# Altium PCB Main - Backup.PcbDoc (part 2 of 4) (continued)
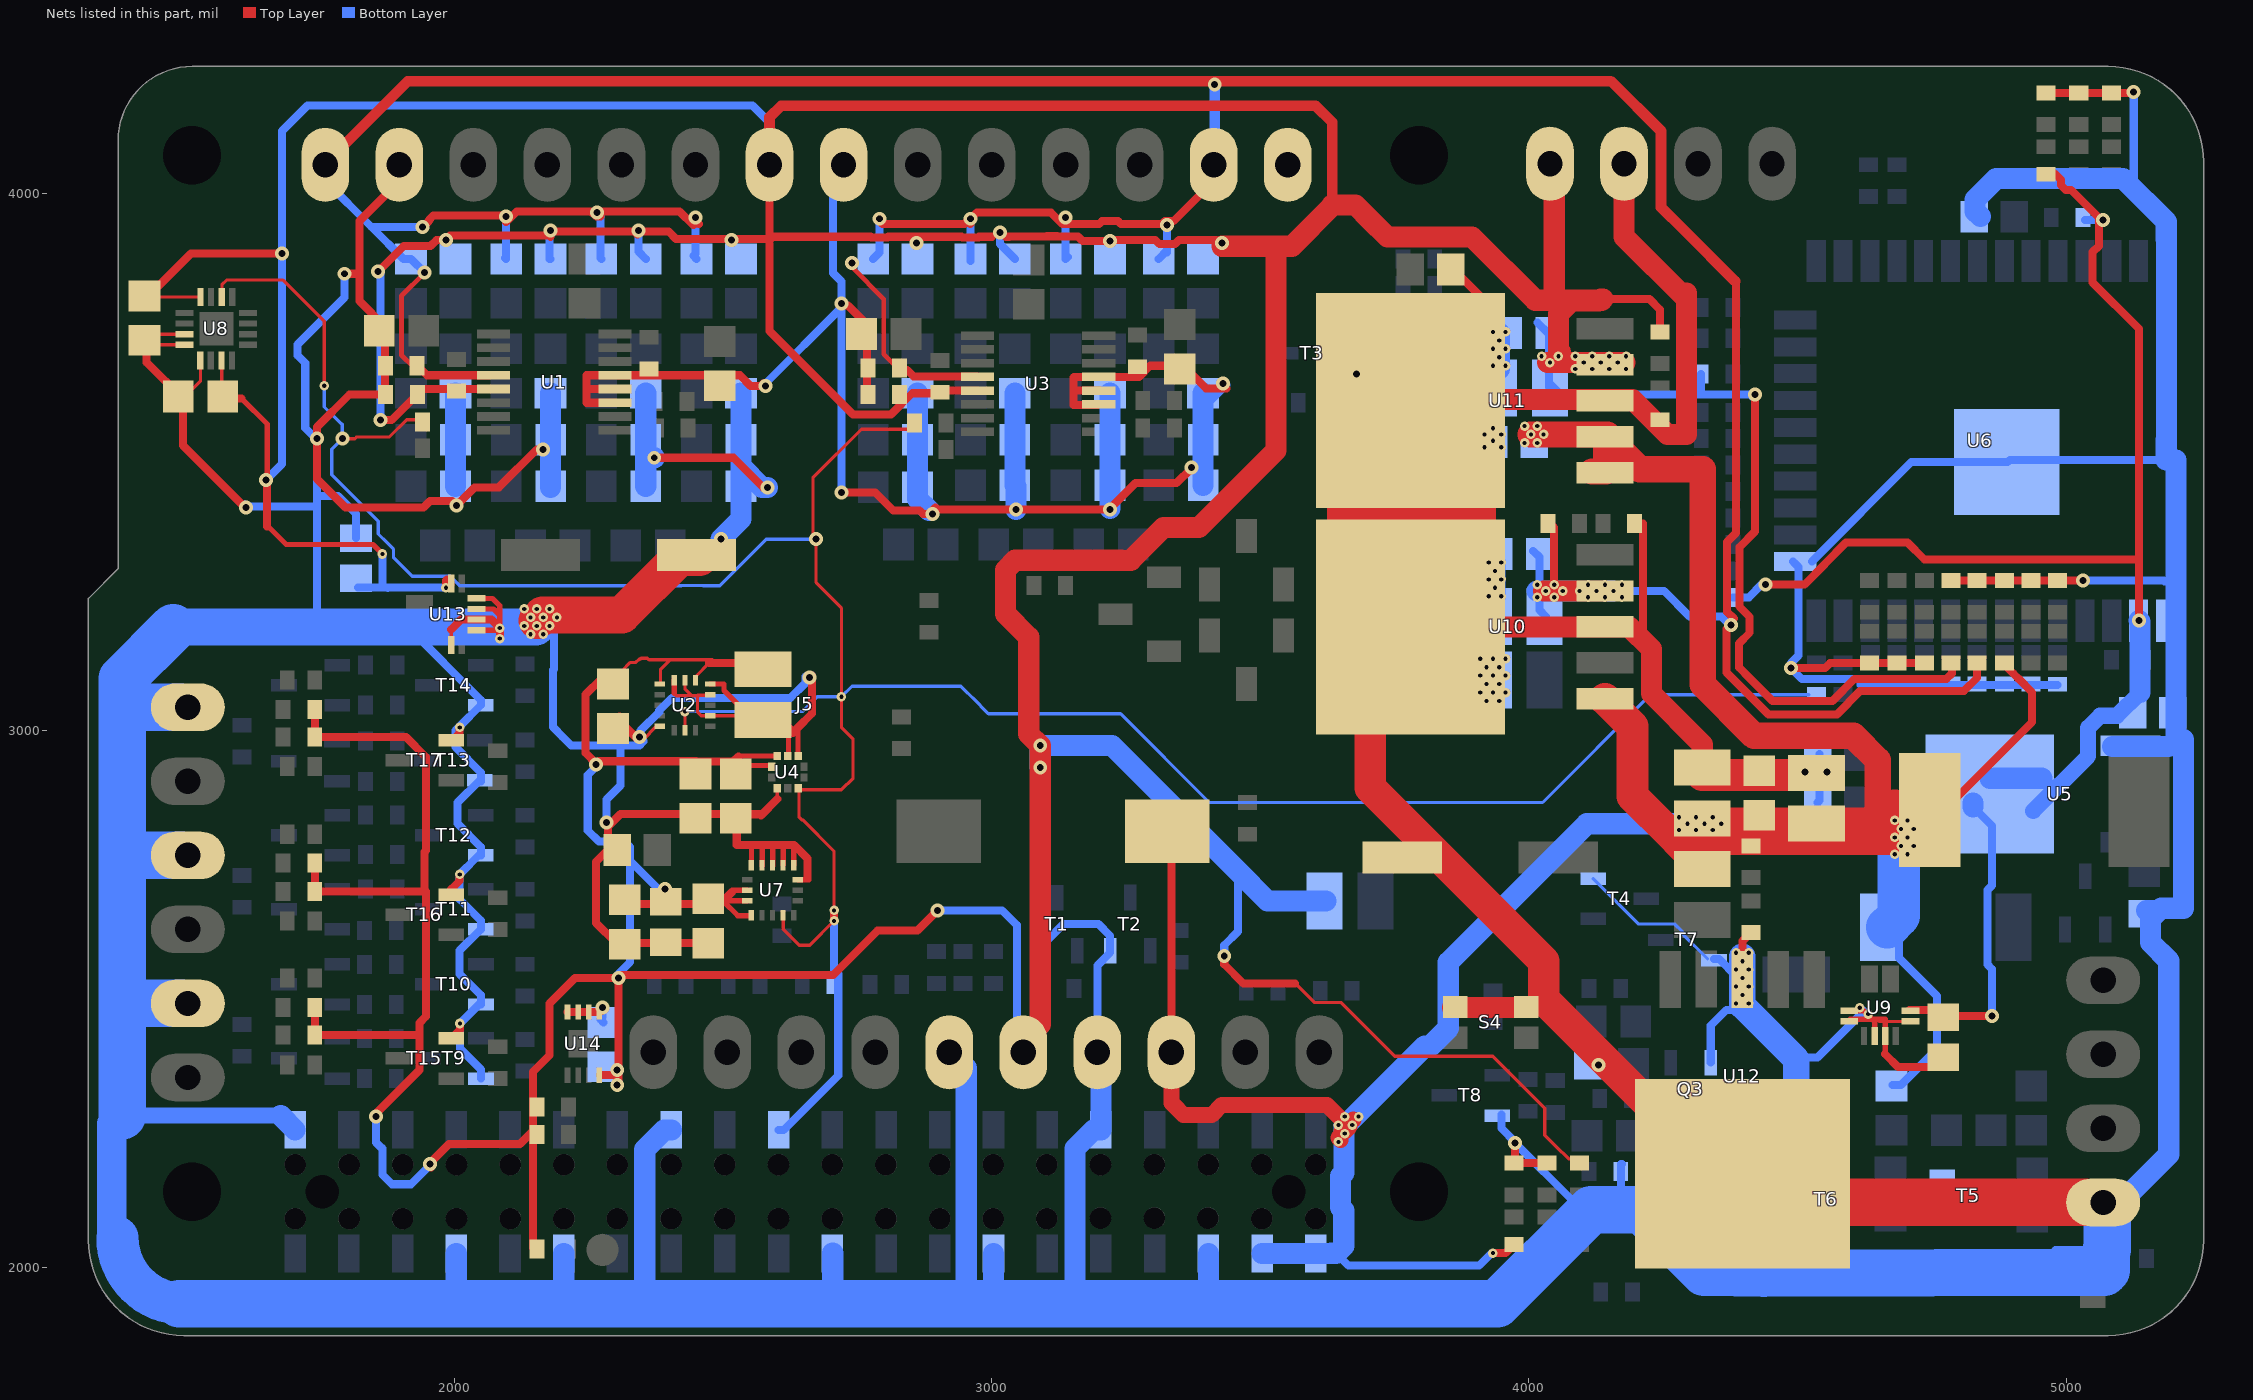
[diagram p2: the nets of this part, all layers, seen from the top]
## Nets (pads, with @x,y where several pads share a name; then routed paths per layer and width w, separated by ;. In a path a pad name is that pad's centre, name@x,y a point inside that pad or via, vN(x,y) a via of type N, cw(c..) or ccw(c..) an arc to the next point about the centre after c; other vN are vias at no path point) (continued)
  Bottom Layer w40: 3658.46,2264.76 3806.17,2412.47 3816.52,2412.47 3849.95,2445.9 3849.95,2568.46 4108.27,2826.77 4303.15,2826.77 4342.52,2826.77 v1@4354.33,2826.77
  Bottom Layer w78.74: D2.1@4667.32,2633.86 4687.99,2654.53 4688.73,2655.26 4688.73,2785.43 v1@4688.73,2801.18
  other v1: 3645.67,2234.25 3657.48,2250 3645.67,2265.75 3671.26,2265.75 3657.48,2281.5 3683.07,2281.5 4681.1,2769.68 4704.72,2769.68 4692.91,2785.43 4716.54,2785.43 4681.1,2801.18 4704.72,2801.18 4279.53,2814.96 4311.02,2814.96 4342.52,2814.96 4692.91,2816.93 4716.54,2816.93 4295.28,2826.77 4326.77,2826.77 4358.27,2826.77 4681.1,2832.68 4704.72,2832.68 4279.53,2838.58 4311.02,2838.58 4342.52,2838.58 3992.13,3535.43 4015.75,3535.43 3992.13,3566.93 4015.75,3566.93
5V_Clean: C6.2 C16.2 C54.2 C55.2 J8.1 J11.1 R13.1 R18.1 R23.1 R28.1 R33.1 R38.1 R43.1 R48.1 R76.2 R121.2 U1.12 U3.12 U10.4 | length 8122.8
  Top Layer w3.94: C6.2@1923.23,3677.17 C6.2@1932.68,3677.17
  Top Layer w8.86: C6.2@1923.23,3677.17 1901.57,3698.82 1901.57,3809.31 v2(1944.76,3852.49) ; v2@2740.16,3862.2 2799.21,3803.15 2799.21,3700.79 C16.2@2818.9,3681.1
  Top Layer w15: C6.2@1931.1,3679.13 1948.82,3661.42 U1.12@2064.96,3661.42 ; v2@1940.95,3937 1952.52,3948.57 1952.52,3950.56 1960.63,3958.66 2088.58,3958.66 v2@2096.46,3950.78 ; v2(2096.46,3956.69) v2@2096.46,3950.78 ; v2(2265.75,3964.57) 2265.75,3962.6 v2@2271.65,3956.69 ; v2(2448.82,3954.72) v2@2448.82,3949.32 ; 2454.98,3943.16 v2@2448.82,3949.32 ; v2@2789.13,3951.02 2797,3943.16 2949.39,3943.16 2954.8,3948.57 2960.21,3943.16 2960.21,3952.33 v2(2960.63,3952.76) 2972.44,3964.57 3110.22,3964.57 3131.88,3942.91 3200.24,3942.91 3205.9,3948.57 3235.05,3948.57 3240.46,3943.16 3317.18,3943.16 3322.83,3948.81 3338.98,3948.81 J8.1@3413.4,4023.23 ; C16.2@2842.52,3671.26 2854.33,3659.45 2972.64,3659.45 U3.12@2973.62,3658.46 ; R121.2@4035.43,3389.76 4047.24,3377.95 v1(4047.24,3271.65) ; U10.4@4141.83,3259.84 v1(4157.48,3259.84) ; 4383.86,3836.61 4385.83,3838.58 4385.83,3367.72 4368.98,3350.87 4368.98,3221.09 4381.65,3208.42 4375.98,3202.76 v2(4375.98,3196.85) 4368.11,3188.98 4368.11,3108.27 4387.8,3088.58 4446.11,3030.26 4573.57,3030.26 4616.76,3073.46 4809.68,3073.46 4834.65,3098.43 R76.2@4834.65,3129.92 ; v2@2096.46,3950.78 2096.46,3946.84 2116.15,3966.54 2254.45,3966.54 2264.29,3956.69 v2@2271.65,3956.69 ; v2@2271.65,3956.69 2271.65,3966.54 2419.29,3966.54 2444.88,3940.95 2448.82,3944.89 v2@2448.82,3949.32
  Top Layer w19.68: J11.1@1757.89,4025.2 1759.84,4027.16 J11.1@1759.84,4053.15 1759.84,4055.12 1913.39,4208.66 4151.57,4208.66 ; 4154.19,4208.01 4246.06,4116.14 4246.06,3974.41 4289.22,3931.25 4383.86,3836.61
  Top Layer w39.37: v1@4027.35,3259.84 v1(4031.5,3259.84) v1(4062.99,3259.84) v1(4094.49,3259.84) v1(4125.98,3259.84) U10.4@4141.83,3259.84
  Bottom Layer w15: J11.1@1759.86,4023.23 1846.09,3937 ; v2(1940.94,3937) 1846.09,3937 ; v2(1944.76,3852.49) R18.1@1919.29,3877.95 1905.14,3877.95 1846.09,3937 ; R28.1@2096.46,3877.95 2094.48,3879.93 2096.46,3881.9 v2(2096.46,3956.69) ; v2(2265.75,3964.57) 2267.72,3964.57 2271.66,3960.62 2271.66,3879.91 R38.1@2273.62,3877.95 ; v2(2448.82,3954.72) 2448.82,3887.8 2444.88,3883.86 R48.1@2450.79,3877.95 ; R13.1@2779.53,3877.95 2791.34,3889.76 v2(2791.34,3952.76) ; R23.1@2960.63,3874.02 R23.1@2960.63,3877.95 v2(2960.63,3952.76) ; R33.1@3137.8,3877.95 3141.73,3881.88 R33.1@3137.8,3885.81 ; R33.1@3137.8,3881.88 R33.1@3137.8,3885.81 ; v2(3137.8,3954.72) R33.1@3137.8,3885.81 ; R43.1@3311.02,3877.95 R43.1@3326.77,3893.7 ; R43.1@3326.77,3889.76 R43.1@3326.77,3893.7 ; v2(3326.77,3940.94) R43.1@3326.77,3893.7 ; C55.2@4007.87,3334.65 4019.68,3322.83 4019.68,3259.84 4019.68,3224.41 C54.2@4031.5,3212.6 ; v1(4157.48,3259.84) 4251.97,3259.84 4299.21,3212.6 4358.27,3212.6 4375.98,3194.88 v2(4375.98,3196.85)
  Bottom Layer w19.68: J8.1@3413.39,4023.25 3417.32,4027.18 3415.35,4029.16 v2(3415.35,4202.75)
  Bottom Layer w39.37: C54.2@4015.75,3259.84 4019.68,3259.84 C54.2@4027.35,3259.84 ; v1(4031.5,3259.84) v1(4062.99,3259.84) v1(4094.49,3259.84) v1(4125.98,3259.84) v1(4157.48,3259.84)
  other v1: 4015.75,3248.03 4047.24,3248.03 4110.24,3248.03 4141.73,3248.03 4173.23,3248.03 4015.75,3271.65 4110.24,3271.65 4141.73,3271.65 4173.23,3271.65
  other v2: 2740.16,3870.08
ESP_VCC: C32.2 C52.2 D1.1 R55.1 R68.1 R85.1 U5.2 U6.2 U9.12 | length 2903.2
  Top Layer w15: v2(4440.94,3271.65) 4513.06,3271.65 4590.43,3350.27 4704.78,3350.27 4736.15,3318.9 5135.83,3318.9 ; U9.12@4708.66,2480.07 4744.34,2480.07 4755.91,2468.5 v2(4862.2,2468.5) ; D1.1@4962.6,4037.4 4978.35,4037.4 4990.41,4025.34 4990.41,4015.23 4999.49,4006.15 5009.59,4006.15 5061.02,3954.72 5061.02,3902.12 5049.46,3890.56 5049.46,3834.4 5135.83,3748.03 5135.83,3318.9 ; v2(5135.83,3204.72) 5135.83,3318.9
  Bottom Layer w15: R85.1@4379.92,3248.03 4409.45,3248.03 4433.06,3271.65 v2(4440.94,3271.65) ; U5.2@4826.77,2858.27 4862.2,2822.83 4862.2,2711.88 4853.59,2703.27 4853.59,2564.45 4862.2,2555.84 v2(4862.2,2468.5) ; R55.1@5035.43,3950.79 v2(5068.9,3950.79)
  Bottom Layer w30: U5.2@4938.98,2850.39 5040.98,2952.39 5040.98,3005.21 5063.33,3027.56 5094.49,3027.56 5137.8,3070.87
  Bottom Layer w39.37: U5.2@4826.77,2858.27 U5.2@4826.77,2865.14 ; U5.2@4858.27,2911.42 U5.2@4954.72,2911.42 ; v2(5135.83,3204.72) 5137.8,3202.76 5137.8,3070.87
GND: C5.1 C6.1 C7.1 C8.1 C9.1 C10.1 C15.1 C16.1 C17.1 C18.1 C19.1 C20.1 C21.1 C22.1 C23.1 C24.1 C25.1 C26.1 C27.1 C28.1 C29.1 C30.1 C31.1 C32.1 C33.1 C34.1 C35.1 C36.1 C37.1 C38.1 C39.1 C40.1 C41.2 C42.1 C43.1 C44.1 C45.1 C46.1 C47.1 C50.1 C51.1 C52.1 C53.1 C54.1 C55.1 C56.1 C57.1 C58.1 C59.1 C60.1 C62.1 C63.1 C64.1 C65.1 C66.1 C67.1 D11.1 J5.6 J5.9 J5.14 J5.20 J5.25 J5.30 J5.34 J5.39 J6.2 J7.2 J8.2 J9.2 J10.2 J11.2 J13.2 J14.2 J15.2 J16.2 Q3.2 R5.2 R11.2 R16.2 R17.2 R21.2 R22.2 R26.2 R27.2 R31.2 R32.2 R36.2 R37.2 R41.2 R42.2 R46.2 R47.2 R51.2 R52.2 R58.1 R64.1 R70.1 R74.1 R77.1 R81.1 R83.1 R84.1 R88.1 R104.1 R105.1 R106.1 R111.1 R112.2 R116.1 R122.1 R124.1 R126.2 S4.2 S4.4 T1.2 T2.2 T3.2 T4.2 T5.2 T6.2 T7.2 T8.2 T9.2 T10.2 T11.2 T12.2 T13.2 T14.2 T15.2 T16.2 T17.2 U1.3 U1.4 U1.5 U2.5 U2.10 U2.12 U2.13 U2.15 U2.16 U3.3 U3.4 U3.5 U4.3 U4.8 U4.9 U5.1 U6.1 U6.15 U6.38 U6.39 U7.8 U7.9 U7.10 U7.11 U7.12 U7.13 U8.11 U8.12 U8.13 U9.5 U9.6 U9.8 U9.9 U9.11 U10.3 U10.6 U11.3 U11.6 U12.3 U12.6 U13.5 U13.7 U13.8 U13.9 U13.10 U14.1 U14.2 U14.3 U14.4 | length 35022.6
  Top Layer w5.91: 4651.57,2458.79 4710.5,2458.79 U9.11@4712.6,2456.69
  Top Layer w6: C45.1@1436.61,3737.87 U8.11@1498.35,3737.87 ; C45.1@1437.72,3718.19 U8.12@1498.35,3718.19 ; C46.1@1494.65,3617.95 1527.56,3650.87 U8.13@1527.56,3688.98 ; U13.5@1994.09,3159.45 1994.09,3188.26 ; v2@2350.39,2984.25 2352.36,2984.25 U2.5@2375,3006.89 ; 2409.45,3068.9 2413.39,3064.96 2441.87,3064.96 ; U2.15@2429.13,3100.39 2429.13,3077.7 2441.87,3064.96 ; 2454.72,3064.96 2452.76,3064.96 ; U2.12@2477.36,3065.94 2452.76,3065.94 2452.76,3064.96 ; C9.1@2570.87,3031.5 2566.93,3027.56 U2.10@2475.98,3027.56 2459.59,3027.56 2452.76,3034.39 2452.76,3064.96 ; 2600.98,2872.64 U4.3@2600.98,2892.72 ; 2441.87,3064.96 2452.76,3064.96
  Top Layer w9.84: U13.9@2041.34,3226.38 2072.83,3226.38 2084.65,3214.57 ; U13.10@2041.34,3246.06 2070.87,3246.06 2084.65,3232.28 2084.65,3214.57 ; U13.7@2043.31,3187.01 v1@2084.65,3187.01 ; v1(2084.65,3190.94) 2084.65,3214.57 ; 2409.45,3068.9 U2.16@2409.45,3094.49 ; U2.13@2476.38,3086.61 2501.97,3086.61 2501.97,3074.8 C9.1@2535.43,3041.34 ; U7.13@2553.15,2750 2553.15,2787.4 2553.15,2789.37 ; U7.12@2572.83,2748.03 2572.83,2787.4 ; U7.11@2592.52,2748.03 2592.52,2787.4 ; U7.10@2612.2,2750 2612.2,2787.4 ; U4.9@2622.05,2952.76 C9.1@2622.05,3001.97 ; U7.9@2631.89,2750 2631.89,2787.4 ; U7.8@2639.76,2722.44 2659.45,2722.44 ; U4.8@2639.76,2952.76 2639.76,3005.91 ; U9.5@4596.46,2478.35 4624.02,2478.35 4639.76,2462.6 ; U9.6@4598.43,2462.6 4639.76,2462.6 ; 4641.73,2460.63 4639.76,2462.6 ; U9.8@4643.7,2433.07 4643.7,2458.66 ; 4663.39,2397.64 U9.9@4663.39,2431.1 ; U9.9@4663.39,2433.07 4663.39,2458.66 ; 4663.39,2462.6 4639.76,2462.6
  Top Layer w15: C45.1@1436.61,3737.87 C45.1@1427.32,3728.58 ; C45.1@1437.72,3718.19 C45.1@1427.32,3728.58 ; v2(1612.2,3415.35) 1612.7,3415.35 1614.42,3417.07 1608.52,3417.07 1494.65,3530.94 1494.65,3617.95 1427.32,3685.28 C45.1@1427.32,3728.58 ; 1744.09,3497.47 1744.09,3492.13 ; v2(1795.27,3850.39) 1822.83,3850.39 ; C5.1@1870.08,3625.98 1805.12,3625.98 1744.09,3564.96 v2(1744.09,3543.3) 1744.09,3492.13 ; C5.1@1870.47,3624.02 1870.47,3744.09 1870.47,3751.97 1823.08,3799.36 1823.08,3948.66 J11.2@1897.65,4023.23 ; T16.2@1994.09,2704.72 2009.89,2720.52 v1(2009.89,2732.33) ; 1994.09,3188.26 2012.53,3206.69 U13.8@2041.34,3206.69 2068.9,3206.69 v1(2084.65,3190.94) 2084.65,3187.01 v1(2084.65,3171.26) ; T15.2@1994.49,2427.17 2010.29,2442.96 v1(2010.29,2454.78) ; T17.2@1994.75,2980.31 2009.89,2995.46 2009.84,2995.52 v1(2009.84,3005.9) ; v2(2165.35,3523.62) 2153.54,3523.62 2083.13,3453.2 2083.13,3452.31 2082.68,3452.76 2037.4,3452.76 v2(2003.94,3419.29) 1996.06,3427.17 1954.42,3427.17 1942.6,3415.35 1797.24,3415.35 1744.09,3468.5 1744.09,3492.13 ; U14.4@2210.63,2476.18 U14.3@2230.32,2476.18 U14.2@2250,2476.18 U14.1@2269.69,2476.18 2271.46,2476.18 v2@2277.56,2482.28 ; 2248.03,3633.86 2250,3635.83 U1.4@2298.82,3635.83 ; U1.3@2299.21,3610.24 2246.17,3610.24 2246.17,3661.42 R5.2@2372.04,3661.42 ; C10.1@2307.09,3025.98 2307.09,3017.72 2340.55,2984.25 v2@2348.43,2984.25 ; C41.2@2314.96,2777.56 C41.2@2303.15,2777.56 C41.2@2285.43,2777.56 ; C41.2@2314.96,2794.88 C41.2@2314.96,2795.28 ; v2(2372.05,3507.87) 2519.68,3507.87 2574.8,3452.76 v2(2582.68,3452.76) v2@2586.61,3452.76 ; R5.2@2373.03,3662.4 R5.2@2372.04,3661.42 ; C44.1@2476.38,2604.33 C44.1@2472.44,2604.33 2301.18,2604.33 2263.78,2641.73 2263.78,2755.91 C41.2@2285.43,2777.56 ; C28.1@2500,2843.7 C28.1@2525.59,2843.7 ; C28.1@2525.59,2846.46 C28.1@2525.59,2844.49 ; C9.1@2569.02,3033.34 2594.49,3033.34 2630.51,2997.32 ; 2570.47,2842.13 2600.98,2872.64 ; C9.1@2570.87,3031.5 C9.1@2580.58,3031.5 ; v2@2574.8,3645.67 v2(2578.74,3641.73) 2551.18,3641.73 2531.5,3661.42 R5.2@2372.04,3661.42 ; 2630.51,2995.47 2629.92,2996.06 2639.76,3005.91 2665.35,3031.5 v2@2665.35,3102.36 ; 2657.48,2724.41 2657.48,2761.81 2631.89,2787.4 2612.2,2787.4 2592.52,2787.4 2572.83,2787.4 2553.15,2787.4 2525.59,2787.4 C28.1@2525.59,2843.7 ; v2@2718.5,3442.91 v2(2720.47,3442.91) 2783.46,3442.91 2816.93,3409.45 2866.14,3409.45 2872.05,3403.54 v2(2889.76,3403.54) ; v2@2720.47,3791.34 2732.68,3791.34 2768.11,3755.91 C15.1@2768.11,3633.86 ; v2@2884.84,3404.53 2895.67,3415.35 2899.61,3411.42 v2(3045.28,3411.42) 3214.57,3411.42 3218.5,3415.35 v2@3220.47,3413.39 ; U3.3@3196.85,3606.3 3152.3,3606.3 3152.3,3633.13 ; U3.4@3199.61,3632.87 3152.56,3632.87 3152.3,3633.13 ; v2(3220.47,3411.42) v2@3220.47,3413.39 ; v2(3372.05,3490.16) 3372.05,3488.19 3344.49,3460.63 3267.72,3460.63 v2@3220.47,3413.39 ; v2@3437.01,3636.81 3399.41,3636.81 3357.09,3679.13 3295.28,3679.13 3274.61,3658.46 U3.5@3199.61,3658.46 3153.28,3658.46 3152.3,3657.48 3152.3,3633.13 ; U10.6@3781.4,3198.91 U10.6@3787.4,3192.91 ; U11.6@3789.28,3624.11 U11.6@3791.34,3622.05 ; U11.6@3789.37,3620.08 U11.6@3791.34,3622.05 ; U11.6@3795.28,3618.11 U11.6@3791.34,3622.05 ; C65.1@3854.33,3864.17 3940.94,3777.56 3940.94,3771.65 U11.6@3791.34,3622.05 ; R116.1@3970.47,2190.94 R116.1@3974.41,2194.88 ; v2(3974.41,2232.28) R116.1@3974.41,2194.88 ; R105.1@4033.46,2194.88 R116.1@3974.41,2194.88 ; R122.1@4194.88,3385.83 4212.6,3385.83 4212.6,3173.23 4226.38,3159.45 ; U12.6@4248.03,2196.85 U12.6@4259.84,2185.04 ; U12.3@4397.64,2537.1 v1(4397.64,2539.37) v1(4397.64,2570.87) 4397.64,2608.27 R126.2@4413.39,2624.02 ; v2(4488.18,3116.14) 4551.16,3116.14 4561.01,3125.98 ; 4561.03,3125.97 R70.1@4633.86,3125.97 ; R70.1@4625.98,3127.95 4627.95,3125.98 R58.1@4736.22,3125.98 ; 4663.39,2397.64 4687.01,2374.02 4757.87,2374.02 C52.1@4773.62,2389.76 ; R81.1@4787.41,3279.53 R88.1@4885.83,3279.53 4982.28,3279.53 R74.1@4984.25,3281.5 ; R84.1@4962.6,4187.01 R104.1@5025.59,4187.01 ; R74.1@4986.22,3283.46 4990.16,3279.53 v2(5031.5,3279.53) ; R104.1@5023.62,4188.98 R104.1@5025.59,4187.01 ; v2@5127.95,4187.01 R106.1@5084.65,4187.01 R104.1@5025.59,4187.01 ; C41.2@2285.43,2777.56 C41.2@2286.17,2778.3 ; C41.2@2285.43,2777.56 C41.2@2286.17,2778.3 ; C41.2@2286.17,2778.3 2286.17,2821.6 2309.06,2844.49 2523.62,2844.49 C28.1@2525.59,2844.49 ; C28.1@2525.59,2843.7 2570.08,2843.7 2570.87,2844.49 C28.1@2525.59,2844.49 ; C28.1@2525.59,2843.7 C28.1@2525.59,2844.49
  Top Layer w39.37: U10.6@3704.72,3192.91 U10.6@3779.53,3192.91 U10.6@3787.4,3192.91 ; U10.6@3736.22,3259.84 3755.91,3259.84 3771.65,3244.09 3771.65,3208.66 U10.6@3781.4,3198.91 ; U11.6@3744.09,3685.04 3763.78,3685.04 3779.53,3669.29 3779.53,3633.86 U11.6@3789.28,3624.11 ; U11.6@3781.4,3618.11 3795.28,3618.11 3814.96,3616.14 4192.91,3616.14 4257.87,3551.18 4293.31,3551.18 4293.31,3747.81 4293.31,3803.15 ; U10.6@3807.09,3192.91 U10.3@4141.53,3192.91 4187.01,3192.91 4228.35,3151.57 4228.35,3068.9 4322.83,2974.41 C62.1@4322.83,2931.1 C62.1@4322.83,2917.32 ; S4.4@3858.27,2484.25 3863.19,2484.25 3995.08,2484.25 S4.2@4007.87,2484.25 ; J6.2@4181.1,4007.87 4177.17,4003.94 4177.17,3919.29 4293.31,3803.15 ; 4293.31,3803.15 4293.43,3803.03 4293.43,3814.61 4293.31,3814.49 4293.31,3803.15
  Top Layer w59.06: U10.6@3704.72,3192.91 3704.72,2893.7 4027.56,2570.87 4027.56,2500 4220.47,2307.09 4220.47,2318.9 4248.03,2318.9 U12.6@4248.03,2283.46 ; U10.6@3807.09,3192.91 U10.6@3807.09,3212.6 ; U11.6@3814.96,3616.14 U11.6@3814.96,3637.8 ; U12.6@4248.03,2196.85 U12.6@4248.03,2271.65 ; C62.1@4322.83,2917.32 C63.1@4511.81,2917.32
  Top Layer w68.9: 2154.1,3204.72 2164.44,3215.06 2177.17,3215.06 2311.72,3215.06 2418.5,3321.85 C47.1@2456.69,3321.85
  Top Layer w88.58: U12.6@4338.58,2141.73 4358.27,2122.05 4397.64,2122.05 J7.2@5035.45,2122.05
  Top Layer w314.96: U10.6@3781.4,3198.91 3781.4,3265.75 3781.4,3312.99 3781.4,3562.99 U11.6@3781.4,3618.11
  Bottom Layer w6: T4.2@4119.88,2724.41 4204.53,2639.76 4271.65,2639.76 4285.43,2625.98 4285.43,2622.05 T7.2@4332.68,2574.8
  Bottom Layer w15: v2@1610.24,3421.26 v2@1612.2,3419.29 ; 1744.09,3192.91 1744.09,3413.39 ; v2(1744.09,3543.3) v2@1744.09,3541.34 ; v2(1795.27,3850.39) 1795.28,3806.1 1707.93,3718.75 1707.93,3698.57 1722.44,3684.06 1722.44,3562.99 v2@1744.09,3541.34 ; C66.1@1816.93,3358.27 1816.93,3403.54 1783.46,3437.01 1744.09,3437.01 ; 1909.45,3196.84 1913.38,3192.91 2049.21,3057.08 T14.2@2049.21,3047.24 2009.84,3007.87 v1(2009.84,3005.9) 2007.87,3005.9 2001.97,3000 2001.97,2969.53 2049.21,2922.29 T13.2@2049.21,2905.51 ; 1909.45,3200.79 1917.32,3192.91 ; v1@2012.42,2734.86 2023.62,2746.06 ; T13.2@2047.44,2907.48 2005.91,2865.94 2005.91,2826.77 2049.21,2783.46 T12.2@2049.21,2771.65 ; T12.2@2049.21,2767.72 T12.2@2049.21,2771.65 ; T9.2@2049.61,2352.36 2049.61,2369.14 2010.29,2408.46 v1(2010.29,2454.78) T10.2@2049.61,2494.09 ; T10.2@2049.61,2490.16 T10.2@2049.61,2494.09 ; v1@2164.37,3205.71 2176.18,3193.9 2185.04,3185.04 2185.04,3114.17 2183.68,3112.81 2183.68,3006.36 2186.27,3003.77 2186.27,3003.69 2200.54,2989.42 2200.62,2989.42 2217.6,2972.44 2309.06,2972.44 ; C22.1@2179.13,3541.34 C22.1@2179.13,3543.31 ; v2(2275.59,2484.25) 2275.59,2466.54 2271.65,2462.6 C67.1@2277.56,2456.69 ; v2(2283.46,2828.74) 2283.46,2872.05 2309.06,2897.64 2309.06,2972.44 ; 2346.46,1925.2 2354.33,1933.07 ; v2(2578.74,3641.73) 2578.74,3645.67 v2@2720.47,3787.4 ; v2@2653.54,3100.39 2653.54,3088.58 2625.98,3061.02 2404.94,3061.02 2381.36,3037.44 2381.36,3034.91 2346.46,3000 v2@2346.46,2986.21 ; 2704.72,3877.03 2704.72,3880.96 ; v2@2718.5,3442.91 2720.47,3444.88 v2@2720.47,3787.4 ; v2@2720.47,3791.33 v2(2720.47,3795.27) 2720.47,3836.07 2704.97,3851.57 2704.97,3880.72 2704.72,3880.96 ; v2@2722.44,3789.37 v2@2720.47,3787.4 ; J13.2@2724.42,4023.23 2704.72,4003.54 2704.72,3880.96 ; 2854.33,1938.98 2860.24,1933.07 2860.24,1931.1 ; J10.2@2921.27,2387.81 2921.27,2403.53 J10.2@2921.27,2405.12 ; J5.14@3003.54,2026.73 J5.14@3004.37,2027.56 ; C21.1@3035.43,3533.46 C21.1@3043.31,3541.34 ; T1.2@3084.65,2590.35 3134.05,2639.76 3198.82,2639.76 3220.47,2618.11 T2.2@3220.47,2590.55 T2.2@3220.47,2588.58 ; 3153.54,1929.13 3157.48,1933.07 3155.51,1935.04 ; J9.2@3195.08,2406.91 J9.2@3196.86,2405.12 ; J9.2@3196.86,2401.19 J9.2@3196.86,2405.12 ; J9.2@3203.54,2398.44 J9.2@3196.86,2405.12 ; T2.2@3220.47,2586.61 3196.86,2563 J9.2@3196.86,2405.12 ; R46.2@3393.7,3456.69 3393.7,3500 C25.1@3393.7,3515.75 ; R47.2@3393.7,3627.95 3407.48,3614.17 3437.01,3643.7 3435.05,3645.66 v2(3431.1,3645.66) ; J5.6@3403.54,2026.73 J5.6@3404.37,2027.56 ; T3.2@3643.7,3665.35 3645.67,3663.39 v2(3679.13,3663.39) ; T8.2@3948.82,2285.43 3948.82,2259.84 v2@3975.39,2233.27 ; v2(3974.41,2232.28) 4084.65,2122.05 4171.26,2122.05 4171.26,2133.86 ; 4196.85,2096.46 4196.85,2108.27 4171.26,2133.86 ; Q3.2@4338.58,2382.09 4338.58,2450.79 4368.11,2480.32 4381.89,2480.32 4397.64,2496.06 v1@4405.51,2503.94 ; T7.2@4344.69,2574.8 4354.33,2574.8 4385.83,2543.31 ; 4421.26,2163.39 4423.23,2165.35 4437.01,2165.35 T6.2@4503.94,2165.35 ; 4421.26,2448.82 4429.13,2456.69 ; U6.15@4492.13,3314.96 4492.13,3314.37 4493.9,3312.6 4501.97,3304.53 4501.82,3304.38 4501.82,3158.93 4501.97,3158.79 4501.97,3139.77 4488.18,3125.98 v2(4488.18,3116.14) 4508.12,3096.21 4617.86,3096.21 4617.86,3085.04 C34.1@4633.86,3085.04 ; D11.1@4496.06,2297.24 D11.1@4498.03,2295.28 ; 4500,2391.73 4537.4,2391.73 4623.84,2478.17 ; v2(4513.78,2923.23) 4541.34,2923.23 ; U6.15@4526.84,3314.96 4711.88,3500 4891.34,3500 4895.28,3503.94 5186.61,3503.94 5187.01,3503.94 5204.72,3503.94 ; C53.1@4537.4,2866.14 4541.34,2870.08 4541.34,2923.23 ; C35.1@4541.34,2956.69 4541.34,2923.23 ; v2@4553.15,2923.23 4541.34,2923.23 ; v1@4617.46,2483.48 4623.84,2478.17 ; 4624.02,2478.35 4623.84,2478.17 ; v1@4630.44,2472.67 4623.84,2478.17 ; C34.1@4633.86,3084.65 4736.22,3084.65 4885.83,3084.65 C36.1@4984.25,3084.65 ; 4938.98,2011.81 4948.82,2011.81 ; 4980.32,2033.46 5074.8,2033.46 ; v2(5031.5,3279.53) 5181.1,3279.53 5183.07,3277.56 ; 5076.77,2033.46 R111.1@5086.61,2033.46 ; v2(5125.98,4188.98) 5125.98,4009.84 5127.95,4007.87 ; C31.1@5165.35,2677.17 C31.1@5169.29,2673.23 ; 5190.94,2970.47 5204.72,2984.25 ; 5211.12,2990.65 5218.5,2983.27 ; v2(1612.2,3415.35) v2@1614.17,3417.32 ; v2(1612.2,3415.35) v2@1612.2,3419.29 ; v2(1612.2,3415.35) 1612.7,3415.35 1614.42,3417.07 v2@1614.17,3417.32 ; v2@1612.2,3419.29 v2@1614.17,3417.32 ; v2@1614.17,3417.32 1744.09,3417.32 1744.09,3437.01 ; 1744.09,3437.01 v2@1744.09,3541.34 ; T12.2@2049.21,2771.65 v1(2009.89,2732.33) 2009.89,2686.02 2049.21,2646.7 T11.2@2049.21,2629.92 2009.84,2590.55 2009.84,2547.24 2049.61,2507.48 T10.2@2049.61,2494.09 ; 2309.06,2972.44 2344.5,2972.44 ; 2344.5,2972.44 v2@2351.58,2979.52 ; 2344.5,2972.44 v2@2351.58,2979.52 ; v2@2346.46,2984.65 v2@2351.58,2979.52 ; v2@2346.46,2984.65 2344.49,2986.61 v2(2344.49,2988.19) v2@2346.46,2986.21 ; v2@2346.46,2984.65 v2@2346.46,2986.21 ; v2@2346.46,2986.21 2352.36,2980.3 v2@2351.58,2979.52 ; 4171.26,2133.86 4171.26,2188.98 4171.26,2133.86 ; R112.2@4171.26,2190.94 4173.23,2192.91 4171.26,2192.91 R112.2@4171.26,2190.95
  Bottom Layer w29.53: 1381.89,2283.46 1676.81,2283.46
  Bottom Layer w39.37: 1676.81,2283.46 J5.39@1703.54,2256.73 ; R21.2@2001.97,3454.72 C20.1@2001.97,3541.34 R22.2@2001.97,3627.95 ; 2003.54,1933.46 J5.34@2003.54,2026.73 ; R31.2@2179.13,3452.76 R31.2@2179.13,3454.72 C22.1@2179.13,3541.34 R32.2@2179.13,3627.95 C22.1@2179.13,3543.31 ; 2203.54,1933.46 J5.30@2203.54,2026.73 ; 2356.3,1935.04 2354.33,1937.01 2354.33,2220.47 2390.59,2256.73 J5.25@2403.54,2256.73 J5.25@2404.33,2256.73 ; R41.2@2356.3,3454.72 2356.3,3498.03 ; R42.2@2356.3,3627.95 C24.1@2356.3,3541.34 2356.3,3498.03 ; v2(2372.05,3507.87) 2366.14,3507.87 2356.3,3498.03 ; v2(2496.06,3356.3) 2533.46,3393.7 R51.2@2533.46,3454.72 R51.2@2533.46,3456.69 ; R52.2@2533.46,3627.95 C26.1@2533.46,3541.34 2533.46,3492.13 ; R51.2@2535.43,3454.72 R51.2@2533.46,3456.69 ; v2(2582.68,3452.76) 2572.83,3452.76 2533.46,3492.13 ; 2704.37,1934.29 J5.20@2704.37,2027.56 ; C19.1@2862.2,3537.4 2862.2,3431.1 v2@2883.86,3409.45 ; C19.1@2862.2,3541.34 R17.2@2862.2,3627.95 ; J10.2@2921.27,2380.39 J10.2@2921.27,2387.81 ; J10.2@2921.27,2403.53 2952.76,2372.05 2952.76,1935.04 ; 3003.54,1933.46 J5.14@3003.54,2026.73 ; R27.2@3043.31,3627.95 C21.1@3043.31,3541.34 3043.31,3525.59 R26.2@3043.31,3456.69 3045.28,3454.72 v2(3045.28,3411.42) ; 3155.51,1935.04 3154.99,1935.56 3154.99,2112.3 3155.51,2112.82 3155.51,2172.61 3154.99,2173.13 3154.99,2221.92 3189.8,2256.73 J5.9@3203.54,2256.73 J9.2@3203.54,2398.44 ; v2@3220.47,3413.39 C23.1@3220.47,3541.34 R37.2@3220.47,3627.95 ; R46.2@3393.7,3456.69 3393.7,3490.16 3393.7,3500 C25.1@3393.7,3541.34 R47.2@3393.7,3627.95 ; 3403.54,1933.46 J5.6@3403.54,2026.73 ; C54.1@3937.01,3248.03 v1(3937.01,3265.75) v1(3937.01,3297.24) C55.1@3937.01,3314.96 ; C57.1@3944.88,3673.23 v1(3944.88,3694.88) v1(3944.88,3726.38) C58.1@3944.88,3740.16 ; C29.1@4840.55,3956.69 4830.71,3966.54 4830.71,3988.19 4870.08,4027.56 5106.3,4027.56 5186.61,3947.24 5187.23,3874.03 5187.01,3873.82 5187.01,3503.94 ; U5.1@5086.61,2970.47 5190.94,2970.47 ; J7.2@5110.24,2129.92 5191.19,2210.88 5191.19,2571.68 5157.34,2605.53 5157.34,2649.47 C31.1@5173.23,2665.35 ; C31.1@5149.61,2665.35 C31.1@5173.23,2665.35 ; 5186.61,3503.94 5186.61,3541.34 ; 5204.72,2984.25 5204.72,3503.94 ; 5218.5,2983.27 5218.5,2669.41 5177.29,2669.41 C31.1@5173.23,2665.35 ; R51.2@2533.46,3456.69 2533.46,3492.13
  Bottom Layer w49.21: v1@4397.64,2578.74 v1(4397.64,2570.87) v1(4397.64,2539.37) v1(4397.64,2507.87) 4397.64,2496.06 4397.64,2488.19 4429.13,2456.69 4498.03,2387.8 4498.03,2295.28 4497.9,2295.27 4437.01,2291.34 4437.01,2165.35 4437.01,1990.16 4498.03,1990.16 4496.06,1988.19
  Bottom Layer w55.12: 1362.2,2053.15 1362.2,2268.54
  Bottom Layer w68.9: 1476.38,3192.91 1744.09,3192.91 1913.38,3192.91 ; 1917.32,3192.91 2141.73,3192.91 2151.57,3192.91 v1@2164.37,3205.71
  Bottom Layer w78.74: 1372.87,2055.99 ccw(c1495.79,2055.99) 1495.79,1933.07
  Bottom Layer w88.58: 1381.89,2283.46 1381.89,2492.13 ; 1476.38,3190.94 1381.89,3096.46 1381.89,3051.18 ; 1487.92,1933.07 1495.79,1933.07 2003.94,1933.07 2354.33,1933.07 2452.76,1933.07 2860.24,1933.07 3157.48,1933.07 3826.77,1933.07 3940.94,1933.07 4116.14,2108.27 4196.85,2108.27 4210.63,2108.27 4326.77,1992.13 4437.01,1990.16 5071.44,1992.13 5074.8,1995.49 5074.8,2033.46 ; J16.2@1490.16,3043.31 1389.76,3043.31 1381.89,3051.18 ; J14.2@1492.13,2492.13 1381.89,2492.13 ; J15.2@1492.13,2767.72 1381.89,2767.72 ; J7.2@5057.09,2120.08 5076.77,2100.39 5076.77,2033.46 ; 1381.89,2492.13 1381.89,2767.72 ; 1381.89,2767.72 1381.89,3051.18
  other v1: 4631.89,2472.44 4616.14,2484.25 4385.83,2492.13 4409.45,2492.13 4385.83,2523.62 4409.45,2523.62 4385.83,2555.12 4409.45,2555.12 4385.83,2586.61 4409.45,2586.61 3921.26,3055.12 3944.88,3055.12 3909.45,3070.87 3933.07,3070.87 3956.69,3070.87 3921.26,3086.61 3944.88,3086.61 3909.45,3102.36 3933.07,3102.36 3956.69,3102.36 3921.26,3118.11 3944.88,3118.11 3909.45,3133.86 3933.07,3133.86 3956.69,3133.86 2141.73,3179.13 2165.35,3179.13 2129.92,3194.88 2153.54,3194.88 2177.17,3194.88 2141.73,3210.63 2165.35,3210.63 2190.94,3210.63 2129.92,3226.38 2153.54,3226.38 2177.17,3226.38 3925.2,3250 3948.82,3250 3925.2,3281.5 3948.82,3281.5 3925.2,3312.99 3948.82,3312.99 3917.32,3527.56 3948.82,3527.56 3933.07,3539.37 3917.32,3551.18 3948.82,3551.18 3933.07,3562.99 3933.07,3679.13 3956.69,3679.13 3933.07,3710.63 3956.69,3710.63 3933.07,3742.13 3956.69,3742.13
  other v2: 4129.92,2377.95 4555.12,2923.23 2661.42,3098.43
MISO: J5.21 R4.1 R10.1 R62.1 R156.1 U2.7 U4.5 U7.4 U8.6 | length 5940.1
  Top Layer w6: U8.6@1567.32,3807.24 1567.32,3830 1576.14,3838.82 1576.38,3838.58 1681.1,3838.58 1757.87,3761.81 v1(1757.87,3641.73) ; v2(1791.34,3543.3) 1814.97,3543.3 1818.27,3546.6 1879.2,3546.6 1911.35,3578.74 R4.1@1942.91,3578.74 ; U2.7@2429.13,2998.96 v1(2429.13,3035.43) ; U7.4@2612.2,2655.51 2612.2,2629.92 2641.73,2600.39 2661.42,2600.39 v1(2706.69,2645.67) ; v1@2706.69,2661.42 v1@2706.69,2669.29 ; v1@2708.66,2669.29 v1@2706.69,2669.29 ; R10.1@2866.14,3578.74 2860.24,3578.74 2842.52,3561.02 2757.87,3561.02 2667.32,3470.47 2667.32,3360.24 2673.23,3354.33 2673.23,3275.59 2720.47,3228.35 v1(2720.47,3062.99) 2720.47,3005.91 2742.13,2984.25 2742.13,2911.42 2720.47,2889.76 2641.73,2889.76 2641.73,2838.58 2646.53,2833.79 2648.38,2833.79 2706.69,2775.47 v1(2706.69,2665.35) v1@2706.69,2669.29
  Top Layer w15: v1(2706.69,2645.67) v1@2706.69,2661.42
  Bottom Layer w6: v1(1757.87,3641.73) 1757.87,3602.36 1790.35,3569.88 1791.34,3570.87 v2(1791.34,3543.3) 1771.65,3523.62 1771.65,3476.31 1858.39,3389.57 1858.39,3366.02 1874.76,3349.65 1874.76,3349.54 1886.94,3337.35 1886.94,3321.72 1921.51,3287.15 1992.26,3287.15 2009.72,3269.68 2422.99,3269.68 2423.24,3269.94 2462.59,3269.94 2462.84,3269.68 2494.09,3269.68 2580.71,3356.3 v2(2673.23,3356.3) ; v1(2429.13,3035.43) 2647.64,3035.43 2675.2,3062.99 v1(2720.47,3062.99) 2740.16,3082.68 2942.91,3082.68 2970.47,3055.12 ; 2964.57,3061.02 2994.09,3031.5 3224.41,3031.5 3240.16,3031.5 3405.51,2866.14 4025.59,2866.14 4226.38,3066.93 R62.1@4521.65,3066.93
  Bottom Layer w15: J5.21@2603.54,2256.73 2613.03,2256.73 2714.57,2358.27 2714.57,2547.24 2706.69,2555.12 v1(2706.69,2645.67) v1(2706.69,2665.35)